# Altium PCB M5_CORE2_re.PcbDoc (part 3 of 3)
Units mm, origin at the board's own origin, x right, y up, seen from the top; angles counter-clockwise.
Board outline 48 x 49.5 mm, 4 copper layers (Top Layer, GND, PWR, Bottom Layer), stack 1.561 mm thick; 165 components, 118 nets, 612 pads, 248 vias.
Unrouted connection lines stored in the file: 4.
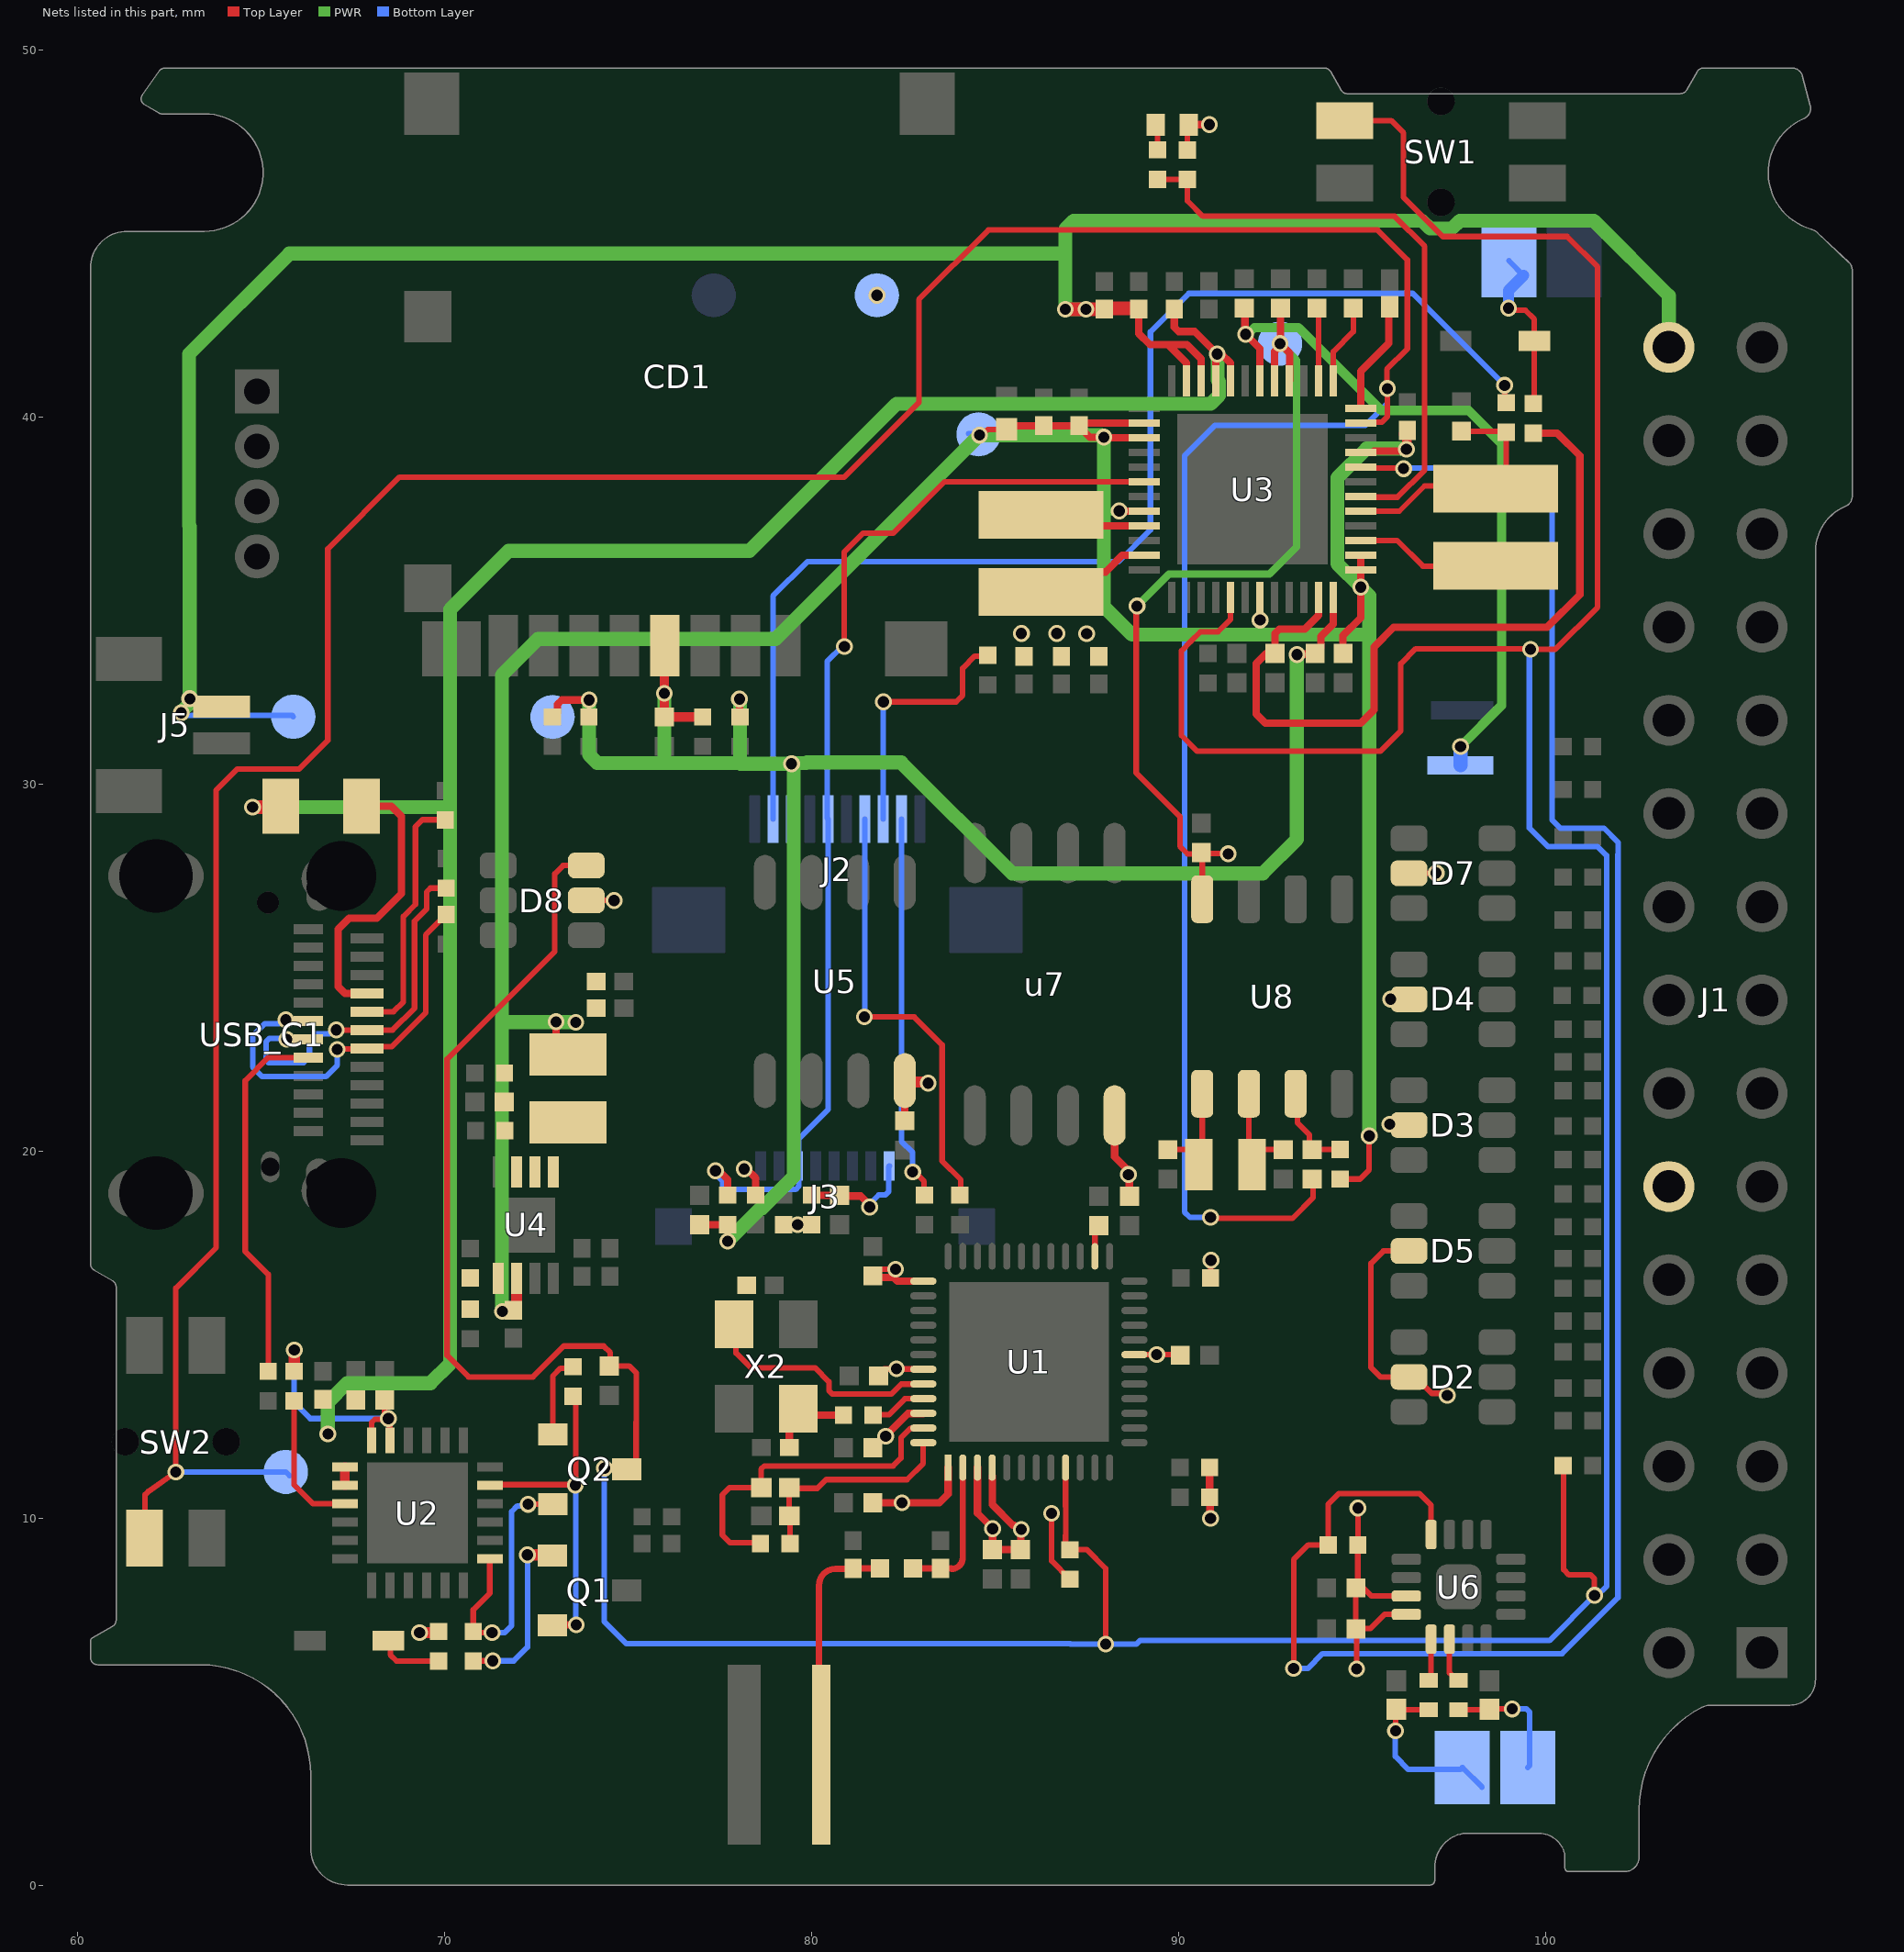
[diagram p5: the nets of this part, all layers, seen from the top]

## Via types
v1: diameter 0.457, hole 0.305, Top Layer to Bottom Layer, tented both sides, 247 vias
v2: diameter 0.203, hole 0.127, Top Layer to Bottom Layer, tented both sides, 1 vias

## Nets (pads, with @x,y where several pads share a name; then routed paths per layer and width w, separated by ;. In a path a pad name is that pad's centre, name@x,y a point inside that pad or via, vN(x,y) a via of type N, cw(c..) or ccw(c..) an arc to the next point about the centre after c; other vN are vias at no path point) (continued)
IPS_BUS: C2.1 C4.1 C11.1 C36.2 C38.1 C39.2 C40.1 C41.1 L4.1 R53.2 TP4.1 U3.7 U3.13 U3.14 U3.21 U3.38 U3.39 U3.44 U4.6 | length 89.1
  Top Layer w0.152: v1(84.582,39.497) 84.653,39.497 84.809,39.653 C2.1@85.319,39.653 ; R53.2@94.412,19.232 94.949,19.232 95.202,19.484 v1(95.202,20.406)
  Top Layer w0.203: C39.2@71.885,15.658 C39.2@71.972,15.745 ; U4.6@71.974,16.531 U4.6@71.974,16.531 ; v1(73.046,23.516) 73.046,22.698 73.12,22.624 L4.1@73.371,22.624 ; C2.1@85.419,39.753 C4.1@86.335,39.753 C11.1@87.3,39.753 ; v1(88.392,37.432) 88.397,37.427 89.071,37.427 U3.44@89.073,37.425 ; U3.39@89.073,39.425 87.986,39.425 v1(87.97,39.441) 87.59,39.441 87.3,39.732 C11.1@87.3,39.753 ; U3.38@89.073,39.825 88.441,39.825 87.372,39.825 C11.1@87.3,39.753 ; U3.7@92.223,35.075 92.224,35.074 92.224,34.465 v1(92.23,34.46) ; C36.2@94.488,33.547 94.488,34.036 94.971,34.519 v1(94.971,35.357) 94.973,35.359 U3.13@94.973,35.825 U3.14@94.973,36.225 ; U3.21@94.973,39.025 95.294,39.025 95.333,39.064 96.093,39.064 96.225,39.195 v1@96.225,39.227 ; C38.1@96.225,39.448 96.225,39.611 C38.1@96.241,39.626
  Top Layer w0.254: C38.1@96.142,39.52 96.203,39.52 96.227,39.496 96.227,39.129 v1(96.213,39.115)
  Top Layer w0.305: C39.2@71.972,15.745 U4.6@71.974,16.531
  Top Layer w0.381: v1(71.583,15.625) C39.2@71.852,15.625
  PWR w0.203: 87.97,37.414 88.375,37.414 v1(88.392,37.432) ; 92.227,34.06 92.227,34.457 v1(92.23,34.46)
  PWR w0.381: v1(71.583,15.625) 71.574,15.634 71.574,23.507 ; v1(73.586,23.498) 73.578,23.507 71.574,23.507 ; v1(95.202,20.406) 95.202,33.752 95.202,33.927 95.202,35.126 v1(94.971,35.357) 94.336,35.992 94.336,38.338 95.127,39.13 96.199,39.13 v1(96.213,39.115) ; 95.202,34.06 92.227,34.06 88.738,34.06 87.97,34.828 87.97,37.414 v1(87.97,39.441) 87.951,39.441 87.896,39.497 v1(84.582,39.497) 79.031,33.946 72.555,33.946 71.574,32.965 71.574,23.965 71.574,23.796 71.574,23.507
  Bottom Layer w0.152: TP4.1@84.281,39.542 84.537,39.542 v1(84.582,39.497)
LCD_BL: J2.9 R14.2 | length 34.1
  Top Layer w0.152: v1(98.892,40.853) 98.892,40.422 R14.2@98.933,40.382
  Bottom Layer w0.152: J2.9@78.957,29.039 78.957,35.114 79.891,36.048 88.372,36.048 89.24,36.916 89.24,42.309 90.288,43.358 96.388,43.358 v1(98.892,40.853)
LCD_BL_TP: C37.1 L3.1 R14.1 U3.17 | length 7
  Top Layer w0.152: U3.17@94.973,37.425 96.022,37.425 96.709,38.113 98.425,38.113 L3.1@98.5,38.039 ; C37.1@97.612,39.605 R14.1@99.058,39.605 ; L3.1@98.652,38.039 98.933,38.32 R14.1@98.933,39.664
LCD_RST: J2.6 J3.6 R40.2 U3.42 | length 30.3
  Top Layer w0.152: v1(80.901,33.738) 80.901,36.315 81.416,36.83 82.237,36.83 83.632,38.225 U3.42@89.073,38.225
  Top Layer w0.203: v1(77.388,19.456) 77.437,19.407 77.536,19.407 77.724,19.22 R40.2@77.724,18.792
  Bottom Layer w0.152: v1(77.388,19.456) 77.388,19.374 77.589,19.172 77.589,19.057 77.697,18.95 79.573,18.95 79.662,19.039 79.662,19.569 79.652,19.578 79.652,20.32 80.457,21.125 J2.6@80.457,29.039 80.437,29.06 80.437,33.34 80.835,33.738 v1(80.901,33.738)
LNA_IN: C12.1 L1.1 U1.2 | length 4
  Top Layer w0.171: L1.1@82.78,8.625 L1.1@82.777,8.622 83.518,8.622 C12.1@83.521,8.625 83.821,8.625 ; 83.82,8.611 ccw(c83.82,8.919) 84.128,8.919 U1.2@84.128,11.372
MCU_RST: C27.2 D8.6 Q2.3 R11.2 R51.2 SW1.2 U1.9 U3.5 | length 132.2
  Top Layer w0.152: D8.6@73.869,27.772 73.238,27.772 73.011,27.545 73.011,25.431 70.079,22.499 70.079,14.427 70.663,13.843 72.419,13.843 73.257,14.681 74.346,14.681 74.524,14.503 74.524,14.167 C27.2@74.498,14.141 75.038,14.141 75.235,13.945 75.235,12.617 75.229,12.611 75.229,11.328 74.403,11.328 74.377,11.355 v1(74.363,11.355) ; 86.928,9.525 86.928,9.142 86.935,9.134 87.511,9.134 88.022,8.624 v1(88.022,6.564) ; 86.928,10.309 U1.9@86.928,11.372 ; 86.929,9.526 86.929,10.308 ; 90.34,33.877 90.086,33.623 90.086,31.313 90.513,30.886 95.508,30.886 96.063,31.441 96.063,33.274 96.469,33.68 99.58,33.68 v1(99.597,33.664) 100.275,33.664 101.422,34.811 101.422,44.078 100.593,44.907 97.206,44.907 96.139,45.974 96.139,47.727 95.8,48.065 SW1.2@94.53,48.065 ; 90.34,33.878 90.6,34.138 91.082,34.138 91.423,34.479 U3.5@91.423,35.075 ; R51.2@100.487,11.43 100.498,11.419 100.498,8.595 100.646,8.447 101.239,8.447 101.337,8.349 101.337,7.894 v1(101.34,7.891)
  Bottom Layer w0.152: v1(74.363,11.355) 74.363,7.171 74.963,6.571 87.054,6.571 87.061,6.564 v1(88.022,6.564) ; v1@88.024,6.562 88.858,6.562 88.957,6.661 100.11,6.661 v1(101.34,7.891) 101.421,7.891 101.667,8.137 101.667,28.044 101.418,28.292 100.067,28.292 99.565,28.794 99.565,33.632 v1(99.597,33.664)
MCU_VDD: C1.2 C3.2 C6.2 C7.2 C8.2 C9.1 C10.2 C15.2 C16.2 C17.2 C47.2 C48.2 C49.1 C55.1 D2.5 D3.5 D4.5 D5.5 D7.5 D8.5 J1.12 L2.2 LED1.2 R2.1 R11.1 R35.2 R39.1 R43.1 R54.1 R55.1 R56.1 R57.1 R60.2 TP2.1 U1.1 U1.3 U1.4 U1.19 U1.37 U1.43 U1.46 U3.47 U5.8 U6.7 U6.8 u7.8 | length 47
  Top Layer w0.152: R2.1@69.711,6.876 R2.1@69.85,7.015 ; D8.5@73.869,26.822 73.871,26.821 v1(74.626,26.819) v1(74.626,26.819) ; C15.2@81.68,13.716 81.864,13.9 81.864,13.939 81.982,14.058 82.314,14.058 v1(82.319,14.062) 82.326,14.056 83.033,14.056 U1.43@83.045,14.044 ; C8.2@81.68,16.593 81.861,16.773 v1(82.294,16.773) ; v1(86.548,10.125) 86.548,8.828 87.046,8.33 R11.1@87.048,8.33 ; U1.19@88.805,14.449 v1(89.413,14.45) ; v1(89.413,14.45) 90.037,14.45 C6.2@90.053,14.434 ; R60.2@90.246,47.265 90.246,47.912 LED1.2@90.29,47.955 ; R43.1@90.877,16.535 90.889,16.547 v1(90.889,17.021) ; v1(94.858,5.89) 94.858,6.959 C48.2@94.838,6.979 ; v1(94.893,10.272) 94.893,9.267 R39.1@94.891,9.265 94.891,8.244 C47.2@95.038,8.097 ; v1(95.758,20.726) D3.5@96.234,20.726 ; v1(95.783,24.13) D4.5@96.251,24.13 ; U6.8@96.213,7.372 95.618,7.372 95.237,6.991 94.85,6.991 C48.2@94.838,6.979 ; U6.7@96.213,7.872 95.262,7.872 C47.2@95.038,8.097 ; D5.5@96.285,17.272 95.59,17.272 95.25,16.932 95.25,14.097 95.504,13.843 96.489,13.843 96.489,13.813 96.907,13.394 97.272,13.394 v1(97.329,13.337) ; D7.5@96.285,27.559 96.29,27.563 97.02,27.563 v1(97.024,27.568) ; C48.2@94.838,6.979 94.838,7.897 C47.2@95.038,8.097
  Top Layer w0.203: v1(78.173,19.508) 78.237,19.508 78.486,19.258 R57.1@78.486,18.792 ; C16.2@81.651,11.941 81.709,11.941 81.991,12.224 v1(82.027,12.224) 82.027,12.235 82.636,12.844 83.046,12.844 U1.46@83.051,12.849 ; C7.2@81.68,10.414 C7.2@81.699,10.395 ; C8.2@81.68,16.568 81.693,16.555 82.245,16.555 82.35,16.449 U1.37@83.051,16.449 ; C7.2@81.699,10.568 C7.2@81.699,10.395 ; U5.8@82.367,21.971 U5.8@82.55,21.788 ; v1@82.445,10.443 v1(82.474,10.414) ; C49.1@82.55,20.822 U5.8@82.55,21.336 ; U1.1@83.728,11.372 83.728,10.652 83.49,10.414 v1(82.474,10.414) ; U1.3@84.528,11.372 84.528,10.132 84.941,9.719 v1(84.941,9.707) 84.939,9.705 84.939,9.139 C9.1@84.938,9.138 C17.2@85.7,9.138 ; U1.4@84.934,11.14 84.934,10.361 85.491,9.804 85.535,9.804 85.653,9.686 v1(85.721,9.686) ; C17.2@85.71,9.15 85.71,9.592 v1@85.714,9.595 ; L2.2@86.258,35.221 86.807,35.77 88.017,35.77 88.473,36.225 U3.47@89.073,36.225 ; u7.8@88.265,20.961 88.265,19.837 88.671,19.431 C55.1@88.671,18.764 ; C55.1@88.642,18.811 88.657,18.826 88.657,19.339 v1(88.642,19.354) ; LED1.2@90.29,47.955 v1(90.847,47.956) ; R54.1@90.852,11.379 R56.1@90.852,10.566 90.865,10.553 90.865,10.001 v1(90.878,9.988) ; C7.2@81.699,10.395 81.717,10.414 v1(82.474,10.414)
  Top Layer w0.254: U5.8@82.55,21.336 U5.8@82.55,21.913
  Top Layer w0.305: v1(69.33,6.876) R2.1@69.711,6.876 ; R55.1@79.244,17.987 79.246,17.985 R55.1@79.248,17.987 v1(79.629,17.987) R35.2@80.01,17.987 ; U5.8@82.55,21.971 82.648,21.873 83.156,21.873 v1(83.185,21.844) ; C17.2@85.7,9.138 C17.2@85.711,9.149
  other v1: 85.725,34.092 86.69,34.092 87.504,34.086 81.788,43.307
NetANT1_1: ANT1.1 C13.1 L1.2 | length 6.5
  Top Layer w0.171: ANT1.1@80.213,3.588 80.213,8.169 cw(c80.655,8.169) 80.655,8.611 C13.1@81.14,8.611 ; C13.1@81.14,8.625 81.143,8.622 L1.2@81.877,8.622
NetC5_1: C5.1 R1.1 U2.5 U2.6 | length 7.1
  Top Layer w0.152: R1.1@65.913,13.991 R1.1@65.917,13.995 ; U2.6@68.016,12.11 68.02,12.114 68.02,12.599 68.109,12.688 68.458,12.688 v1(68.476,12.706) v1@68.476,12.588 ; C5.1@68.45,13.399 68.303,13.399 68.303,13.288 C5.1@68.377,13.214 68.377,12.814 v1@68.516,12.675 ; U2.5@68.516,12.11 v1@68.516,12.588
  Top Layer w0.305: R1.1@65.917,13.995 v1@65.917,14.449
  Bottom Layer w0.152: v1@65.917,14.449 65.913,14.445 65.913,13.144 66.351,12.706 v1(68.476,12.706)
  other v1: 65.917,14.576
NetC26_1: C26.1 R6.1 X2.3 | length 2.4
  Top Layer w0.203: C26.1@79.401,11.92 79.401,12.686 79.694,12.979 79.872,12.802 R6.1@80.878,12.802
NetC28_1: C28.1 R8.1 U1.47 | length 9.1
  Top Layer w0.152: R8.1@78.617,9.296 78.592,9.322 77.79,9.322 77.577,9.535 77.577,10.627 77.777,10.827 C28.1@78.663,10.827 ; C28.1@78.633,10.837 78.633,11.327 78.722,11.416 82.227,11.416 82.444,11.633 82.444,12.185 82.7,12.442 83.043,12.442 U1.47@83.051,12.449
NetC28_2: C28.2 C34.2 R8.2 U1.48 | length 6
  Top Layer w0.152: C28.2@79.399,10.824 C34.2@79.399,10.058 79.422,10.036 R8.2@79.422,9.296 ; C28.2@79.403,10.827 79.423,10.807 80.166,10.807 80.404,11.045 82.609,11.045 83.051,11.487 U1.48@83.051,12.049
NetC31_1: C31.1 U1.44 X2.1 | length 6.6
  Top Layer w0.152: X2.1@77.944,15.279 77.951,15.273 77.951,14.49 78.351,14.09 80.102,14.09 80.482,13.71 80.482,13.469 80.571,13.38 82.187,13.38 82.452,13.645 U1.44@83.046,13.645
NetC32_1: C32.1 U3.26 | length 2
  Top Layer w0.152: C32.1@93.777,42.958 93.823,42.912 U3.26@93.823,40.975
NetC35_2: C35.2 U3.25 | length 2.2
  Top Layer w0.152: U3.25@94.223,40.975 94.223,41.772 94.767,42.316 C35.2@94.767,42.958
NetC45_2: C45.2 R25.2 R26.1 U4.3
NetC46_1: C46.1 J3.1 R35.1 | length 3.2
  Top Layer w0.203: R35.1@80.01,18.792 R35.1@80.01,18.792 C46.1@80.771,18.791 ; C46.1@80.772,18.79 80.791,18.77 81.343,18.77 81.589,18.524 v1(81.589,18.468)
  Bottom Layer w0.152: v1(81.589,18.468) 81.589,18.551 81.834,18.796 82.019,18.796 82.108,18.885 82.108,19.564 J3.1@82.128,19.583
NetC50_1: C50.1 FB1.2 p1.1 | length 4.9
  Top Layer w0.152: v1(95.918,4.199) 95.918,4.768 C50.1@95.936,4.786 96.022,4.786 96.061,4.776 FB1.2@96.825,4.776
  Bottom Layer w0.152: v1(95.918,4.199) 95.91,4.191 95.91,3.505 96.266,3.15 97.688,3.15 p1.1@97.739,3.2 p1.1@98.273,2.666
NetC51_2: C51.2 FB2.2 p1.2 | length 3.5
  Top Layer w0.152: FB2.2@97.638,4.776 C51.2@98.466,4.776 ; C51.2@98.476,4.786 C51.2@98.466,4.776 ; v1(99.098,4.797) 98.488,4.797 C51.2@98.467,4.775
  Bottom Layer w0.152: v1(99.098,4.797) 99.486,4.797 99.576,4.707 99.576,3.259 p1.2@99.517,3.2
NetC54_2: C54.2 R53.1 U8.3 | length 2.5
  Top Layer w0.152: U8.3@93.193,21.556 93.242,21.507 93.242,20.767 93.575,20.434 93.575,20.109 C54.2@93.65,20.034 94.41,20.034 R53.1@94.412,20.036
NetC56_1: C56.1 U8.2 X1.2 | length 2.5
  Top Layer w0.152: U8.2@91.923,21.556 91.923,19.99 91.967,20.034 C56.1@92.862,20.034
NetD1_2: D1.2 R2.2 | length 1.8
  Top Layer w0.152: D1.2@68.482,6.655 68.529,6.607 68.529,6.274 68.703,6.1 R2.2@69.85,6.1 ; R2.2@69.956,5.994 R2.2@69.982,6.02
NetD9_1: D9.1 p2.1 R58.2 | length 4.8
  Top Layer w0.152: v1(98.998,42.956) 99.053,42.901 99.452,42.901 99.698,42.654 D9.1@99.698,42.062 R58.2@99.698,40.356 ; R58.2@99.599,40.516 R58.2@99.601,40.516
  Bottom Layer w0.152: p2.1@99.009,44.247 p2.1@99.407,43.849
  Bottom Layer w0.305: v1(98.998,42.956) 98.998,43.441 p2.1@99.407,43.849
NetF1_2: F1.2 USB_C1.A4 | length 7.9
  Top Layer w0.203: F1.2@67.75,29.388 68.555,29.388 68.834,29.108 68.834,27.008 68.166,26.34 67.412,26.34 67.107,26.035 67.107,24.475 67.292,24.29 USB_C1.A4@67.897,24.29 ; F1.2@68.123,29.228 F1.2@68.131,29.235
NetFB1_1: FB1.1 U6.9 | length 1.1
  Top Layer w0.152: FB1.1@96.825,5.576 96.888,5.638 U6.9@96.888,6.697
NetFB2_1: FB2.1 U6.10 | length 1.3
  Top Layer w0.152: U6.10@97.385,6.693 97.385,5.779 97.588,5.576 FB2.1@97.638,5.576
NetJ2_2: J2.2 R36.1 | length 10.5
  Top Layer w0.152: v1(82.762,19.427) 82.81,19.427 83.073,19.165 83.073,18.803 R36.1@83.083,18.792
  Bottom Layer w0.152: J2.2@82.454,29.036 82.454,20.261 82.76,19.956 82.76,19.43 v1(82.762,19.427)
NetJ2_3: J2.3 R37.1 | length 7
  Top Layer w0.152: v1(81.966,32.233) 83.947,32.233 84.125,32.41 84.125,33.147 84.455,33.477 84.789,33.477 R37.1@84.811,33.498
  Bottom Layer w0.152: J2.3@81.957,29.039 81.961,29.043 81.961,32.228 v1(81.966,32.233)
NetJ2_4: J2.4 R38.1 | length 12.2
  Top Layer w0.152: v1(81.446,23.65) 82.802,23.65 83.566,22.885 83.566,19.722 84.075,19.213 R38.1@84.075,18.716
  Bottom Layer w0.152: v1(81.446,23.65) 81.459,23.663 81.459,29.037 J2.4@81.457,29.039
NetL2_1: L2.1 U3.45 | length 2.9
  Top Layer w0.152: L2.1@86.258,37.321 L2.1@86.554,37.025
  Top Layer w0.203: L2.1@86.554,37.025 U3.45@89.073,37.025
NetL3_2: L3.2 U3.15 | length 3.8
  Top Layer w0.152: U3.15@94.973,36.625 95.963,36.625 96.66,35.928 98.489,35.928 L3.2@98.5,35.939
NetL4_2: L4.2 U4.1 U4.2
NetLED1_1: LED1.1 R59.2 | length 0.7
  Top Layer w0.152: LED1.1@89.39,47.955 89.433,47.912 R59.2@89.433,47.269
NetQ1_1: Q1.1 R3.2 | length 4.8
  Top Layer w0.152: R3.2@70.82,6.02 70.906,6.106 v1(71.323,6.106)
  Top Layer w0.305: v1(72.267,8.993) Q1.1@72.877,8.993
  Bottom Layer w0.152: v1(71.323,6.106) 71.892,6.106 72.267,6.481 v1(72.267,8.993)
NetQ1_2: Q1.2 R9.2 U2.23 | length 9.2
  Top Layer w0.152: U2.23@71.055,10.898 71.064,10.907 73.557,10.907 v1(73.57,10.894) ; R9.2@73.508,13.314 73.582,13.239 73.582,12.674 73.583,12.673 73.583,10.972 v1@73.519,10.907
  Top Layer w0.203: Q1.2@73.206,7.087 73.244,7.087 73.245,7.086 73.594,7.086 v1(73.597,7.089)
  Bottom Layer w0.152: v1(73.57,10.894) 73.584,10.881 73.584,7.102 v1(73.597,7.089)
NetQ2_1: Q2.1 R9.1 | length 2.2
  Top Layer w0.152: Q2.1@72.955,12.278 72.955,13.863 73.17,14.078 73.467,14.078 R9.1@73.508,14.118
NetQ2_2: Q2.2 R3.1 U2.19 | length 7.7
  Top Layer w0.152: U2.19@71.241,8.885 71.241,7.947 70.79,7.496 70.79,7.015 70.927,6.878 v1(71.303,6.878) ; v1(72.286,10.372) Q2.2@73.135,10.372
  Bottom Layer w0.152: v1(71.303,6.878) 71.648,6.878 71.837,7.067 71.837,10.175 71.992,10.33 72.244,10.33 v1(72.286,10.372)
NetR1_2: R1.2 U2.9 | length 3.9
  Top Layer w0.152: R1.2@65.913,13.187 65.913,10.897 66.425,10.385 U2.9@67.291,10.385
NetR4_1: R4.1 USB_C1.A5 | length 6.9
  Top Layer w0.152: USB_C1.A5@67.897,23.79 68.621,23.79 68.885,24.054 68.885,26.383 69.215,26.713 69.215,28.829 69.406,29.02 69.921,29.02 R4.1@70.028,28.913
NetR5_1: R5.1 USB_C1.B5 | length 10.2
  Top Layer w0.152: R5.1@65.206,13.996 65.206,16.633 64.578,17.261 64.578,21.911 65.207,22.54 USB_C1.B5@66.297,22.54
NetR13_1: R13.1 U3.24 | length 3.1
  Top Layer w0.203: U3.24@94.973,40.225 94.971,40.227 94.971,41.243 95.733,42.005 R13.1@95.733,42.994
NetR21_2: R21.2 R23.1 U4.5
OSCI: C57.1 U8.1 X1.1 | length 3.2
  Top Layer w0.152: C57.1@89.56,20.034 90.264,20.034 90.563,19.735 X1.1@90.563,19.626 90.653,19.716 U8.1@90.653,21.556
PERI_VDD: C33.2 C43.1 C52.2 CD1.4 J2.8 R15.2 R16.2 R17.2 R19.2 R40.1 TP3.1 U3.12 | length 53.8
  Top Layer w0.203: R19.2@72.95,31.82 R19.2@72.95,31.82 73.085,31.953 73.085,32.163 73.204,32.282 v1(73.944,32.282) ; C52.2@76.962,17.99 77.479,17.99 ; v1(78.044,32.308) 78.05,32.302 78.05,31.826 R15.2@78.056,31.82 ; v1(93.234,33.519) 93.248,33.533 93.568,33.533 93.631,33.47 93.631,33.452 93.884,33.705 93.884,33.822 93.887,33.824 93.887,34.011 94.221,34.346 94.221,35.074 U3.12@94.223,35.075
  Top Layer w0.254: C43.1@75.998,31.819 v1(75.997,32.461) ; v1@75.998,32.461 75.998,33.755 CD1.4@76.005,33.761 ; C43.1@76.122,31.819 77.039,31.819 R16.2@77.04,31.82
  PWR w0.381: v1@73.944,32.247 73.944,30.787 74.168,30.564 75.998,30.564 ; v1(75.997,32.461) 75.998,32.46 75.998,30.564 ; v1(77.724,17.538) 78.61,18.425 78.65,18.425 79.522,19.296 79.522,30.466 79.462,30.526 v1(79.462,30.546) ; v1(78.044,32.308) 78.056,32.296 78.056,30.564 ; v1(93.234,33.519) 93.231,33.515 93.231,28.486 92.304,27.559 85.471,27.559 82.451,30.579 79.881,30.579 79.864,30.561 79.477,30.561 v1(79.462,30.546) ; 75.998,30.564 78.056,30.564 ; 78.056,30.564 78.073,30.547 v1(79.462,30.546)
  Bottom Layer w0.152: J2.8@79.454,29.257 79.46,29.263 79.46,30.544 v1(79.462,30.546)
PWR_KEY: C54.1 SW2.2 TP7.1 U3.23 | length 105
  Top Layer w0.152: SW2.2@61.837,9.449 61.849,9.449 61.849,10.635 61.938,10.719 v1(62.687,11.252) 62.687,16.262 63.788,17.363 63.788,29.829 64.364,30.404 66.048,30.404 66.827,31.182 66.827,36.398 68.783,38.354 80.899,38.354 82.931,40.386 82.931,43.19 84.826,45.085 95.428,45.085 96.241,44.272 96.241,41.85 95.68,41.289 95.68,40.78 v1(95.694,40.766) ; v1(90.876,18.188) 90.904,18.161 93.109,18.161 93.675,18.726 93.675,19.209 C54.1@93.65,19.234 ; U3.23@94.973,39.825 94.996,39.849 95.445,39.849 95.544,39.849 95.699,40.003 v1@95.699,40.762
  Bottom Layer w0.152: v1@62.701,11.252 TP7.1@65.684,11.252 TP7.1@65.786,11.151 ; v1(90.876,18.188) 90.317,18.188 90.17,18.336 90.17,38.934 91.002,39.766 95.099,39.766 95.694,40.361 v1(95.694,40.766)
RTC_BAT: BT1.1 C24.2 U3.30 | length 19.7
  Top Layer w0.203: C24.2@91.796,42.932 91.815,42.913 91.815,42.263 92.223,41.856 U3.30@92.223,40.975
  PWR w0.254: v1(91.835,42.243) 91.89,42.243 92.07,42.424 93.274,42.424 95.53,40.168 97.911,40.168 98.806,39.272 98.806,32.131 v1(97.688,31.013)
  Bottom Layer w0.381: BT1.1@97.688,30.505 v1(97.688,31.013)
RTC_VDD: C29.2 C53.2 TP5.1 U3.28 U3.29 U8.8 | length 23.6
  Top Layer w0.152: v1(88.875,34.841) 88.853,34.82 88.853,30.298 90.043,29.108 90.043,28.296 90.246,28.092 90.595,28.092 C53.2@90.627,28.124 ; U8.8@90.653,26.856 90.653,28.099 C53.2@90.627,28.124 ; v1(91.361,28.091) 91.356,28.096 90.655,28.096 C53.2@90.627,28.124
  Top Layer w0.203: U3.29@92.623,40.975 92.623,41.775 92.77,41.923 v1(92.77,41.992) ; v1@92.778,41.992 93.03,41.74 U3.28@93.03,40.983 ; v1@92.786,42.062 C29.2@92.786,42.958
  PWR w0.203: v1(88.875,34.841) 89.746,35.712 92.481,35.712 93.221,36.452 93.221,40.181 93.221,41.541 v1(92.77,41.992)
SPK_EN: R39.2 U3.20 U6.4 | length 55.8
  Top Layer w0.152: v1(93.142,5.899) 93.142,8.864 93.542,9.265 R39.2@94.086,9.265 94.086,10.378 94.374,10.665 96.571,10.665 96.888,10.348 U6.4@96.888,9.547 ; U3.20@94.973,38.625 94.993,38.605 96.116,38.605 v1(96.137,38.584)
  Bottom Layer w0.152: v1(93.142,5.899) 93.529,5.899 93.933,6.303 100.454,6.303 101.978,7.828 101.978,8.27 101.978,27.834 101.978,28.078 101.981,28.081 101.981,28.404 101.596,28.789 100.408,28.789 100.18,29.016 100.18,37.975 99.554,38.601 96.153,38.601 v1(96.137,38.584)
SYS_LED: R59.1 R60.1 U3.18 | length 16.5
  Top Layer w0.152: R59.1@89.433,46.465 90.242,46.465 R60.1@90.246,46.461 90.246,45.882 90.67,45.458 95.893,45.458 96.71,44.641 96.71,38.545 95.971,37.806 94.992,37.806 U3.18@94.973,37.825
SYS_VBAT: C20.1 C21.1 J1.30 J5.1 TP6.1 U3.34 U3.35 | length 66.2
  Top Layer w0.203: C21.1@88.925,42.878 88.925,42.266 89.227,41.964 89.719,41.964 ; U3.35@90.223,40.975 90.223,41.46 89.719,41.964 ; U3.34@90.621,41.299 90.621,41.361 90.619,41.363 90.619,41.579 90.234,41.964 89.719,41.964
  Top Layer w0.381: J5.1@63.533,32.098 J5.1@63.929,32.098 ; v1(86.92,42.925) v1(87.482,42.925) v1(87.482,42.925) 87.962,42.927 87.986,42.95 C21.1@88.925,42.95
  PWR w0.381: v1(62.832,31.931) 62.832,31.951 63.054,32.173 63.054,32.301 v1(63.068,32.316) 63.068,37.008 63.043,37.033 63.043,41.707 65.779,44.443 86.92,44.443 ; v1(87.482,42.925) v1(86.92,42.925) 86.92,44.443 ; J1.30@103.364,41.89 103.364,43.295 101.321,45.339 97.669,45.339 97.452,45.122 96.858,45.122 96.641,45.339 87.144,45.339 86.92,45.116 86.92,44.443
  Bottom Layer w0.152: v1(62.832,31.931) 62.904,31.859 65.855,31.859 TP6.1@65.888,31.826
USB_5V: C18.1 C19.1 C22.1 F1.1 U2.7 U2.8 U3.32 U3.33 | length 60
  Top Layer w0.203: C22.1@89.891,42.928 89.891,42.438 90.01,42.319 90.447,42.319 v1(91.059,41.707) ; U3.33@91.023,40.975 91.023,41.67 v1(91.059,41.707) ; U3.32@91.423,40.975 91.421,40.977 91.421,41.461 91.175,41.707 v1(91.059,41.707)
  Top Layer w0.254: U2.8@67.291,10.885 U2.7@67.291,11.385
  Top Layer w0.381: v1(64.776,29.364) 65.526,29.364 F1.1@65.55,29.388
  PWR w0.381: v1(64.776,29.364) 64.779,29.362 70.159,29.362 ; v1(66.831,12.289) 66.831,13.15 67.352,13.671 69.626,13.671 70.159,14.204 70.159,29.362 ; v1(91.059,41.707) 91.074,41.692 91.074,40.991 91.108,40.957 91.108,40.576 90.884,40.353 82.325,40.353 78.317,36.346 71.755,36.346 70.159,34.75 70.159,29.362
USB_N: R49.1 USB_C1.A7 USB_C1.B7 | length 11.3
  Top Layer w0.152: v1(65.684,23.571) 65.694,23.561 66.275,23.561 USB_C1.B7@66.297,23.54 ; v1(67.085,22.763) 67.098,22.776 67.883,22.776 67.946,22.839 68.575,22.839 69.494,23.758 69.494,25.878 69.893,26.277 69.893,26.279 70.051,26.437 R49.1@70.053,26.437
  Bottom Layer w0.152: v1(65.684,23.571) 65.602,23.571 65.497,23.466 65.112,23.466 64.783,23.138 64.783,22.283 65.041,22.025 66.167,22.025 66.775,22.025 67.085,22.335 v1(67.085,22.763)
USB_P: R47.1 USB_C1.A6 USB_C1.B6 | length 10.5
  Top Layer w0.152: v1(65.71,23.038) v1(65.71,23.038) 66.296,23.039 USB_C1.B6@66.297,23.04 ; v1(67.057,23.296) 67.059,23.293 67.894,23.293 USB_C1.A6@67.897,23.29 68.595,23.29 69.19,23.884 69.19,26.256 69.52,26.587 69.52,27.051 69.626,27.157 R47.1@70.053,27.157
  Bottom Layer w0.152: v1(65.71,23.038) 65.687,23.06 65.231,23.06 65.142,22.971 65.142,22.476 65.215,22.403 66.167,22.403 66.327,22.563 66.327,23.009 66.508,23.19 66.868,23.19 66.974,23.296 v1(67.057,23.296)
VDD_SDIO: C14.2 U1.26 | length 1
  Top Layer w0.152: U1.26@87.728,17.127 87.728,17.935 87.833,18.04 C14.2@87.846,18.027
VIB_MOTOR: C30.2 R58.1 U3.11 | length 21.1
  Top Layer w0.203: U3.11@93.823,35.075 93.821,35.074 93.821,34.59 93.445,34.214 92.753,34.214 92.634,34.095 C30.2@92.634,33.547 92.627,33.553 92.397,33.553 92.12,33.276 92.12,31.901 92.372,31.648 94.967,31.648 95.331,32.012 95.331,33.729 95.866,34.265 100.051,34.265 100.94,35.154 100.94,38.938 100.326,39.552 R58.1@99.67,39.552
"XTAL P": R6.2 U1.45 | length 1.5
  Top Layer w0.152: R6.2@81.69,12.811 82.115,12.811 82.553,13.249 U1.45@83.051,13.249
pads on no net: CD1.1 CD1.8 CD1.9 CD1.10 D8.4 J1.25 J1.27 J1.29 J3.7 J3.8 J5.3 J5.4 SW1. SW1.1 SW1.4 SW2. SW2.3 SW2.4 U1.6 U2.1 U2.10 U2.11 U2.12 U2.13 U2.14 U2.15 U2.16 U2.17 U2.18 U2.22 U2.24 U3.3 U3.8 U3.10 U3.27 U3.36 U3.41 U3.43 U3.48 U6.5 U6.6 U6.12 U6.13 U8.7 USB_C1. USB_C1.1 USB_C1.2 USB_C1.3 USB_C1.4 USB_C1.A2 USB_C1.A3 USB_C1.A8 USB_C1.A9 USB_C1.A10 USB_C1.A11 USB_C1.B1 USB_C1.B2 USB_C1.B3 USB_C1.B4 USB_C1.B8 USB_C1.B9 USB_C1.B10 USB_C1.B11 USB_C1.B12

## Polygon pours and split planes (outlines as drawn)
NetC31_1 on Top Layer "GND" (solid, pour order 19): 78.425,16.565 78.425,14.63 77.369,14.63 77.369,15.93 78.004,16.565
GND on Top Layer "GND_L01_P020" (solid, pour order 20): 80.169,14.63 80.17,14.631 80.17,16.044 79.652,16.562 78.706,16.562 78.708,14.63 78.71,14.63
GND on Top Layer "GND" (solid, pour order 45): 60.361,6.2 ccw(c60.561,6.2) 60.561,6 63.361,6 cw(c63.361,3) 66.361,3 66.361,1 ccw(c67.361,1) 67.361,0 96.857,0 ccw(c96.857,0.13) 96.987,0.13 96.987,0.487 cw(c97.915,0.487) 97.761,1.403 99.833,1.403 cw(c99.833,0.695) 100.533,0.803 100.533,0.464 ccw(c100.633,0.464) 100.633,0.364 102.155,0.364 ccw(c102.155,0.764) 102.555,0.764 102.555,2.042 cw(c105.704,2.042) 104.27,4.845 cw(c104.497,4.4) 104.497,4.9 106.661,4.9 ccw(c106.661,5.6) 107.361,5.6 107.361,36.334 cw(c108.687,36.334) 108.176,37.558 ccw(c108.061,37.834) 108.361,37.834 108.361,43.99 ccw(c108.061,43.99) 108.266,44.208 107.409,45.015 ccw(c107.135,44.724) 107.243,45.109 cw(c107.673,46.65) 107.045,48.121 ccw(c106.927,48.397) 107.217,48.474 107.005,49.276 ccw(c106.715,49.2) 106.715,49.5 104.312,49.5 ccw(c104.312,49.3) 104.139,49.4 103.85,48.9 cw(c103.677,49) 103.677,48.8 94.596,48.8 cw(c94.596,48.98) 94.44,48.89 94.149,49.395 ccw(c93.967,49.29) 93.967,49.5 62.411,49.5 ccw(c62.411,49.27) 62.223,49.402 61.773,48.76 ccw(c61.921,48.657) 61.831,48.501 62.235,48.267 ccw(c62.3,48.38) 62.3,48.25 63.465,48.25 cw(c63.465,46.65) 63.465,45.05 61.361,45.05 ccw(c61.361,44.05) 60.361,44.05 60.361,16.924 ccw(c60.561,16.924) 60.461,16.751 60.961,16.462 cw(c60.861,16.289) 61.061,16.289 61.061,7.22 cw(c60.861,7.22) 60.961,7.046 60.411,6.729 ccw(c60.461,6.642) 60.361,6.642
MCU_VDD on Top Layer "vdd" (solid, pour order 43): 84.692,9.667 cw(c84.96,9.68) 84.947,9.948 85.684,9.948 cw(c85.671,9.682) 85.937,9.67 85.937,9.161 84.692,9.161
SYS_VBAT on Top Layer "GND" (solid, pour order 31): 62.535,32.309 62.763,32.537 63.195,32.537 63.373,32.385 63.373,31.801 63.245,31.673 62.739,31.673 62.535,31.877
GND on Top Layer "GND1" (solid, pour order 42): 95.27,44.831 96.013,44.088 96.013,44.074 96.018,43.444 96.008,43.434 87.738,43.434 87.49,43.187 87.49,42.435 87.889,42.037 88.773,42.037 89.408,41.402 89.408,40.177 83.931,40.177 83.555,40.553 83.566,40.564 83.566,42.926 85.471,44.831
GND on Top Layer "GND" (solid, pour order 21): 77.367,13.63 77.367,12.329 78.312,11.659 78.834,11.659 78.834,13.63
NetR21_2 on Top Layer "GND" (solid, pour order 8): 71.574,16.957 70.399,16.957 70.399,15.439 70.939,15.465 71.574,16.351
MCU_VDD on Top Layer "GND" (solid, pour order 36): 84.887,34.29 84.44,34.29 84.358,34.371 84.358,35.814 88.163,35.814 88.398,36.048 88.398,33.223 85.319,33.223 85.319,33.859 85.319,33.858
GND on Top Layer "GND" (solid, pour order 7): 73.371,18.741 74.641,19.96 74.641,24.858 75.276,24.858 75.276,24.303 75.276,17.078 74.768,17.078 70.399,17.078 70.399,21.592 71.101,21.592 71.101,20.324 71.625,19.799 71.625,18.741
NetL4_2 on Top Layer "GND" (solid, pour order 6): 74.438,21.362 72.304,21.362 72.304,18.995 73.111,18.995 74.438,20.189
NetC45_2 on Top Layer "GND" (solid, pour order 14): 72.128,19.008 72.128,22.352 71.369,22.352 71.365,22.348 71.365,20.315 71.824,19.855 71.821,19.851 71.821,19.008
GND on Top Layer "GND" (solid, pour order 28): 81.675,9.513 cw(c81.943,9.525) 81.93,9.793 82.666,9.793 cw(c82.654,9.528) 82.919,9.515 82.919,9.006 81.675,9.006
USB_5V on Top Layer "GND" (solid, pour order 29): 66.459,13.494 66.459,12.256 66.941,11.481 67.639,11.481 67.843,12.966 67.843,13.494
RTC_VDD on Top Layer "GND" (solid, pour order 37): 92.524,40.888 92.536,40.888 93.122,40.888 93.122,40.295 93.059,40.233 92.608,40.233 92.524,40.317
GND on Top Layer "GND" (solid, pour order 32): 62.535,31.318 62.692,31.475 63.279,31.475 63.373,31.394 63.373,30.81 63.221,30.658 62.763,30.658 62.535,30.886
GND on Top Layer "GND" (solid, pour order 11): 72.127,15.159 71.101,15.159 71.101,14.499 72.127,14.499
USB_5V on Top Layer "GND" (solid, pour order 30): 64.11,29.286 64.77,28.626 66.065,28.626 66.068,28.628 66.068,30.136 64.782,30.136 64.11,29.464
BUS_5V on Top Layer "GND" (solid, pour order 3): 75.255,16.353 73.402,14.981 72.315,14.981 72.315,16.955 73.402,16.955 75.246,16.955
IPS_BUS on Top Layer "GND" (solid, pour order 13): 74.427,24.856 73.905,24.856 72.304,23.255 72.304,22.043 74.427,22.043
MCU_VDD on PWR "GND" (solid, pour order 35): 60.361,6.2 ccw(c60.561,6.2) 60.561,6 63.361,6 cw(c63.361,3) 66.361,3 66.361,1 ccw(c67.361,1) 67.361,0 96.857,0 ccw(c96.857,0.13) 96.987,0.13 96.987,0.487 cw(c97.915,0.487) 97.761,1.403 99.833,1.403 cw(c99.833,0.695) 100.533,0.803 100.533,0.464 ccw(c100.633,0.464) 100.633,0.364 102.155,0.364 ccw(c102.155,0.764) 102.555,0.764 102.555,2.042 cw(c105.704,2.042) 104.27,4.845 cw(c104.497,4.4) 104.497,4.9 106.661,4.9 ccw(c106.661,5.6) 107.361,5.6 107.361,36.334 cw(c108.687,36.334) 108.176,37.558 ccw(c108.061,37.834) 108.361,37.834 108.361,43.99 ccw(c108.061,43.99) 108.266,44.208 107.409,45.015 ccw(c107.135,44.724) 107.243,45.109 cw(c107.673,46.65) 107.045,48.121 ccw(c106.927,48.397) 107.217,48.474 107.005,49.276 ccw(c106.715,49.2) 106.715,49.5 104.312,49.5 ccw(c104.312,49.3) 104.139,49.4 103.85,48.9 cw(c103.677,49) 103.677,48.8 94.596,48.8 cw(c94.596,48.98) 94.44,48.89 94.149,49.395 ccw(c93.967,49.29) 93.967,49.5 62.411,49.5 ccw(c62.411,49.27) 62.223,49.402 61.773,48.76 ccw(c61.921,48.657) 61.831,48.501 62.235,48.267 ccw(c62.3,48.38) 62.3,48.25 63.465,48.25 cw(c63.465,46.65) 63.465,45.05 61.361,45.05 ccw(c61.361,44.05) 60.361,44.05 60.361,16.924 ccw(c60.561,16.924) 60.461,16.751 60.961,16.462 cw(c60.861,16.289) 61.061,16.289 61.061,7.22 cw(c60.861,7.22) 60.961,7.046 60.411,6.729 ccw(c60.461,6.642) 60.361,6.642
GND on GND "GND" (solid, pour order 34): 60.361,6.2 ccw(c60.561,6.2) 60.561,6 63.361,6 cw(c63.361,3) 66.361,3 66.361,1 ccw(c67.361,1) 67.361,0 96.857,0 ccw(c96.857,0.13) 96.987,0.13 96.987,0.487 cw(c97.915,0.487) 97.761,1.403 99.833,1.403 cw(c99.833,0.695) 100.533,0.803 100.533,0.464 ccw(c100.633,0.464) 100.633,0.364 102.155,0.364 ccw(c102.155,0.764) 102.555,0.764 102.555,2.042 cw(c105.704,2.042) 104.27,4.845 cw(c104.497,4.4) 104.497,4.9 106.661,4.9 ccw(c106.661,5.6) 107.361,5.6 107.361,36.334 cw(c108.687,36.334) 108.176,37.558 ccw(c108.061,37.834) 108.361,37.834 108.361,43.99 ccw(c108.061,43.99) 108.266,44.208 107.409,45.015 ccw(c107.135,44.724) 107.243,45.109 cw(c107.673,46.65) 107.045,48.121 ccw(c106.927,48.397) 107.217,48.474 107.005,49.276 ccw(c106.715,49.2) 106.715,49.5 104.312,49.5 ccw(c104.312,49.3) 104.139,49.4 103.85,48.9 cw(c103.677,49) 103.677,48.8 94.596,48.8 cw(c94.596,48.98) 94.44,48.89 94.149,49.395 ccw(c93.967,49.29) 93.967,49.5 62.411,49.5 ccw(c62.411,49.27) 62.223,49.402 61.773,48.76 ccw(c61.921,48.657) 61.831,48.501 62.235,48.267 ccw(c62.3,48.38) 62.3,48.25 63.465,48.25 cw(c63.465,46.65) 63.468,45.05 61.361,45.05 ccw(c61.361,44.05) 60.361,44.05 60.361,16.924 ccw(c60.561,16.924) 60.461,16.751 60.961,16.462 cw(c60.861,16.289) 61.061,16.289 61.061,7.22 cw(c60.861,7.22) 60.961,7.046 60.411,6.729 ccw(c60.461,6.642) 60.361,6.642
GND on Bottom Layer "GND" (solid, pour order 46): 60.361,6.2 ccw(c60.561,6.2) 60.561,6 63.361,6 cw(c63.361,3) 66.361,3 66.361,1 ccw(c67.361,1) 67.361,0 96.857,0 ccw(c96.857,0.13) 96.987,0.13 96.987,0.487 cw(c97.915,0.487) 97.761,1.403 99.833,1.403 cw(c99.833,0.695) 100.533,0.803 100.533,0.464 ccw(c100.633,0.464) 100.633,0.364 102.155,0.364 ccw(c102.155,0.764) 102.555,0.764 102.555,2.042 cw(c105.704,2.042) 104.27,4.845 cw(c104.497,4.4) 104.497,4.9 106.661,4.9 ccw(c106.661,5.6) 107.361,5.6 107.361,36.334 cw(c108.687,36.334) 108.176,37.558 ccw(c108.061,37.834) 108.361,37.834 108.361,43.99 ccw(c108.061,43.99) 108.266,44.208 107.409,45.015 ccw(c107.135,44.724) 107.243,45.109 cw(c107.673,46.65) 107.045,48.121 ccw(c106.927,48.397) 107.217,48.474 107.005,49.276 ccw(c106.715,49.2) 106.715,49.5 104.312,49.5 ccw(c104.312,49.3) 104.139,49.4 103.85,48.9 cw(c103.677,49) 103.677,48.8 94.596,48.8 cw(c94.596,48.98) 94.44,48.89 94.149,49.395 ccw(c93.967,49.29) 93.967,49.5 62.411,49.5 ccw(c62.411,49.27) 62.223,49.402 61.773,48.76 ccw(c61.921,48.657) 61.831,48.501 62.235,48.267 ccw(c62.3,48.38) 62.3,48.25 63.465,48.25 cw(c63.465,46.65) 63.465,45.05 61.361,45.05 ccw(c61.361,44.05) 60.361,44.05 60.361,16.924 ccw(c60.561,16.924) 60.461,16.751 60.961,16.462 cw(c60.861,16.289) 61.061,16.289 61.061,7.22 cw(c60.861,7.22) 60.961,7.046 60.411,6.729 ccw(c60.461,6.642) 60.361,6.642

## Silkscreen, mask and mechanical layers (free items; w line width, h text height)
Top Overlay:
  circle w0.102: c64.313,32.995 r0.457
  lines w0.102: 64.084,32.995 64.541,32.995 ; 64.313,32.766 64.313,33.223
  lines w0.127: 100.825,0.773 100.825,2.17 102.222,2.17 102.222,0.773 100.851,0.773 ; 100.825,2.144 102.197,0.773 ; 100.851,0.773 102.222,2.144
  text "SD" at 85.445,46.84 h1.52 r90
  text "RST" at 93.573,46.343 h1.52 r90
  text "SDA" at 66.421,40.267 h0.76
  text "SCL" at 66.421,38.87 h0.76
  text "5V" at 66.421,37.346 h0.76
  text "GND" at 66.421,35.822 h0.76
  text "USB" at 61.399,16.383 h1.52
  text "PWR" at 61.475,6.884 h1.52
  text "GPIO" at 101.981,5.008 h1.52 r90
Bottom Overlay:
  circle w0.127: c92.761,42.012 r0.762
  circle w0.102: c97.714,5.156 r0.457
  circle w0.102: c99.619,5.156 r0.457
  circle w0.102: c98.984,42.316 r0.457
  circle w0.102: c100.762,42.316 r0.457
  circle w0.127: c77.343,43.307 r0.762
  circle w0.127: c65.684,11.252 r0.762
  circle w0.127: c65.888,31.826 r0.762
  circle w0.127: c81.788,43.307 r0.762
  lines w0.102: 97.485,5.156 97.942,5.156 ; 97.714,4.928 97.714,5.385 ; 98.755,42.316 99.212,42.316 ; 98.984,42.088 98.984,42.545 ; 99.39,5.156 99.847,5.156 ; 100.533,42.316 100.99,42.316
  lines w0.127: 73.701,31.704 cw(c72.949,31.826) 73.702,31.939 ; 85.302,39.366 cw(c84.557,39.522) 85.314,39.602
  text "GND" at 77.922,41.435 h0.76
  text "Motor" at 101.273,41.237 h0.76
  text "ESP_3V3" at 82.939,41.206 h0.76
  text "RTC_3V3" at 93.926,39.91 h0.76
  text "IPSOUT" at 85.547,37.346 h0.76
  text "V_BAT" at 66.776,29.725 h0.76
  text "PERI_VDD" at 74.279,29.725 h0.76
  text "PWR_K" at 66.649,9.151 h0.76
  text "Speaker" at 100.635,5.69 h0.76
  text "M5.CV2" at 75.115,2.832 h1.52
  text "Reversed Engineered By @Sagar.k" at 75.335,1.245 h0.76
Top Solder:
  drawing of 3 lines, arcs and shapes, not listed
Mechanical 1:
  circle w0.013: c102.761,46.65 r1.25
  circle w0.013: c67.465,46.65 r1.25
  lines w0.013: 60.361,6.2 ccw(c60.561,6.2) 60.561,6 63.361,6 cw(c63.361,3) 66.361,3 66.361,1 ccw(c67.361,1) 67.361,0 96.857,0 ccw(c96.857,0.13) 96.987,0.13 96.987,0.487 cw(c97.915,0.487) 97.761,1.403 99.833,1.403 cw(c99.833,0.695) 100.533,0.803 100.533,0.464 ccw(c100.633,0.464) 100.633,0.364 102.155,0.364 ccw(c102.155,0.764) 102.555,0.764 102.555,2.042 cw(c105.704,2.042) 104.27,4.845 cw(c104.497,4.4) 104.497,4.9 106.661,4.9 ccw(c106.661,5.6) 107.361,5.6 107.361,36.334 cw(c108.687,36.334) 108.176,37.558 ccw(c108.061,37.834) 108.361,37.834 108.361,43.99 ccw(c108.061,43.99) 108.266,44.208 107.409,45.015 ccw(c107.135,44.724) 107.243,45.109 cw(c107.673,46.65) 107.045,48.121 ccw(c106.927,48.397) 107.217,48.474 107.005,49.276 ccw(c106.715,49.2) 106.715,49.5 104.312,49.5 ccw(c104.312,49.3) 104.139,49.4 103.85,48.9 cw(c103.677,49) 103.677,48.8 94.596,48.8 cw(c94.596,48.98) 94.44,48.89 94.149,49.395 ccw(c93.967,49.29) 93.967,49.5 62.411,49.5 ccw(c62.411,49.27) 62.223,49.402 61.773,48.76 ccw(c61.921,48.657) 61.831,48.501 62.235,48.267 ccw(c62.3,48.38) 62.3,48.25 63.465,48.25 cw(c63.465,46.65) 63.465,45.05 61.361,45.05 ccw(c61.361,44.05) 60.361,44.05 60.361,16.924 ccw(c60.561,16.924) 60.461,16.751 60.961,16.462 cw(c60.861,16.289) 61.061,16.289 61.061,7.22 cw(c60.861,7.22) 60.961,7.046 60.411,6.729 ccw(c60.461,6.642) 60.361,6.642 60.361,6.2